# Altium PCB GameBoard_V1I1.PcbDoc (part 14 of 22) (continued)
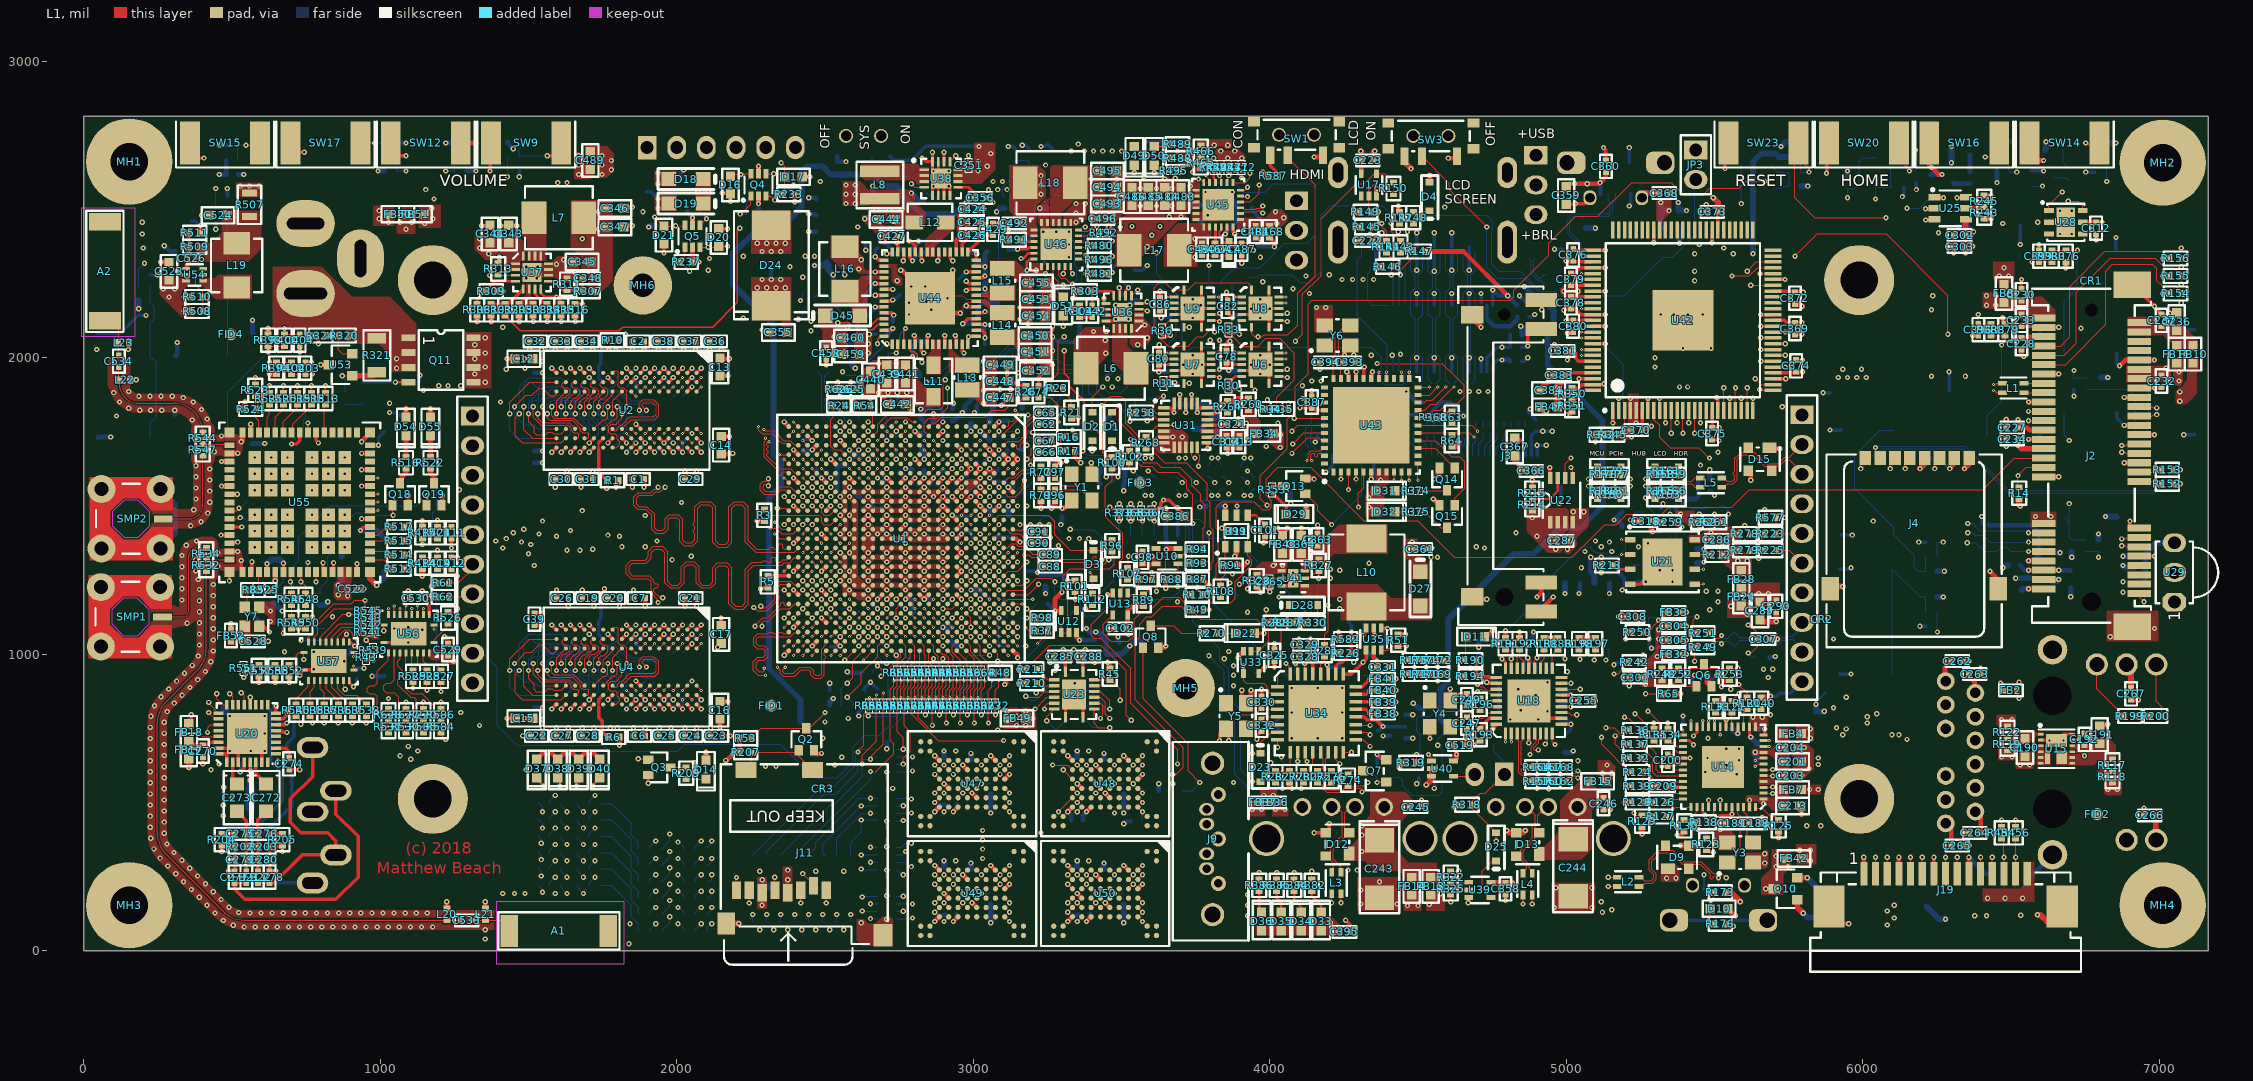
[diagram p0: L1 view]
## Nets (pads, with @x,y where several pads share a name; then routed paths per layer and width w, separated by ;. In a path a pad name is that pad's centre, name@x,y a point inside that pad or via, vN(x,y) a via of type N, cw(c..) or ccw(c..) an arc to the next point about the centre after c; other vN are vias at no path point) (continued)
  L11 w3.15: v5(4547.24,1913.39) v6(4547.24,1944.88)
  L12 w3.35: J1.9@4535.43,2359.84 4535.43,2290.42 4550.2,2275.66 4550.2,2235.24 4535.43,2220.47 U16.27@4535.43,2177.17 4535.43,2145.67 4550.2,2130.91 4550.2,2015.68 4535.43,2000.92 U16.12@4535.43,1952.76 4535.43,1925.2 v5(4547.24,1913.39)
HDMI_D0_P: J1.7 U6.10 U16.10 U16.29 | length 1439.6
  L1 w3.35: U6.10@4031.5,1956.69 4053.73,1956.69 4057.67,1960.63 v2(4059.06,1960.63)
  L10 w3.35: v2(4059.06,1960.63) 4060.66,1959.03 4069.42,1959.03 4096.85,1986.46 4096.85,1996.09 4083.46,2009.47 4083.46,2029.9 4098.45,2044.88 4117.41,2044.88 4131.5,2030.8 4131.5,2015.73 4137.77,2009.45 4149.63,2009.45 4155.91,2015.73 4155.91,2060.67 4169.32,2074.08 4189.63,2074.08 4203.04,2060.67 4203.04,2015.73 4209.31,2009.45 4220.08,2009.45 4226.48,2015.85 4226.48,2050.86 4239.47,2063.86 4259.96,2063.86 4283.79,2040.02 4292.15,2040.02 4326.14,2074.02 4503.01,2074.02 4540.94,2036.08 4540.94,2016.45 4521.56,1997.06 4521.56,1980 4528.81,1972.74 4548.91,1972.74 4560.04,1961.61 4560.04,1947.83 v6(4562.99,1944.88)
  L11 w3.15: v5(4562.99,1913.39) v6(4562.99,1944.88)
  L12 w3.35: v5(4562.99,1913.39) 4574.8,1925.2 U16.10@4574.8,1952.76 4574.8,2000.92 4560.04,2015.68 4560.04,2130.91 4574.8,2145.67 U16.29@4574.8,2177.17 4574.8,2220.47 4560.04,2235.24 4560.04,2275.66 4574.8,2290.42 J1.7@4574.8,2359.84
HDMI_D1_N: J1.6 U9.9 U16.9 U16.30 | length 1446.7
  L1 w3.35: U9.9@3803.15,2125.98 3825.39,2125.98 3829.32,2122.05 v2(3830.71,2122.05)
  L10 w3.35: v2(3830.71,2122.05) 3832.99,2124.33 3842.63,2124.33 3858.59,2108.37 3865.16,2108.37 3868.11,2105.41 3868.11,2099.41 3871.06,2096.46 3875.98,2096.46 3878.94,2099.41 3878.94,2105.41 3881.89,2108.37 3891.73,2108.37 3898.72,2101.38 3904.53,2101.38 3911.52,2108.37 3999.64,2108.37 4012.73,2095.28 4515.12,2095.28 4560.04,2050.35 4560.04,2032.9 4574.86,2018.08 4574.86,2003.26 4608.66,1969.46 4608.66,1951.07 4607.92,1950.33 4607.92,1946.5 v6(4606.3,1944.88)
  L11 w3.15: v5(4606.3,1913.39) v6(4606.3,1944.88)
  L12 w3.35: J1.6@4594.49,2359.84 4594.49,2294.36 4609.25,2279.6 4609.25,2235.24 4594.49,2220.47 U16.30@4594.49,2177.17 4594.49,2145.67 4609.25,2130.91 4609.25,2015.68 4594.49,2000.92 U16.9@4594.49,1952.76 4594.49,1925.2 v5(4606.3,1913.39)
HDMI_D1_P: J1.4 U9.10 U16.7 U16.32 | length 1447.2
  L1 w3.35: U9.10@3803.15,2145.67 3825.39,2145.67 3829.32,2149.61 v2(3830.71,2149.61)
  L10 w3.35: v2(3830.71,2149.61) 3832.94,2149.61 3863.15,2119.39 4004.21,2119.39 4017.3,2106.3 4519.68,2106.3 4571.06,2054.92 4571.06,2037.46 4585.88,2022.64 4585.88,2007.83 4619.68,1974.03 4619.68,1951.07 4620.43,1950.33 4620.43,1946.5 v6(4622.05,1944.88)
  L11 w3.15: v5(4622.05,1913.39) v6(4622.05,1944.88)
  L12 w3.35: v5(4622.05,1913.39) 4633.86,1925.2 U16.7@4633.86,1952.76 4633.86,2000.92 4619.09,2015.68 4619.09,2130.91 4633.86,2145.67 U16.32@4633.86,2177.17 4633.86,2220.47 4619.09,2235.24 4619.09,2279.6 4633.86,2294.36 J1.4@4633.86,2359.84
HDMI_D2_N: J1.3 U8.9 U16.6 U16.33 | length 1434.6
  L1 w3.35: U8.9@4031.5,2125.98 v2@4059.06,2125.98
  L10 w3.35: v2(4059.06,2122.05) 4059.37,2122.05 4067.64,2130.31 4240.39,2130.31 4251.81,2141.73 4569.31,2141.73 4608.66,2102.38 4608.66,2088.87 4588.98,2069.18 4588.98,2050.53 4601.71,2037.8 4622.7,2037.8 4638.45,2053.54 4659.57,2053.54 4667.72,2045.4 4667.72,2035.41 4661.44,2029.13 4642.59,2029.13 4628.64,2015.19 4628.64,1987.92 4639.76,1976.8 4639.76,1967.52 4642.72,1964.57 4647.64,1964.57 4650.59,1967.52 4650.59,1971.46 4653.94,1974.8 4659.91,1974.8 4667.72,1966.99 4667.72,1951.07 4666.97,1950.33 4666.97,1946.5 v6(4665.35,1944.88)
  L11 w3.15: v5(4665.35,1913.39) v6(4665.35,1944.88)
  L12 w3.35: J1.3@4653.54,2359.84 4653.54,2294.36 4668.31,2279.6 4668.31,2232.21 4666.27,2230.18 4653.54,2217.45 U16.33@4653.54,2177.17 4653.54,2145.67 4668.31,2130.91 4668.31,2015.68 4653.54,2000.92 U16.6@4653.54,1952.76 4653.54,1925.2 v5(4665.35,1913.39)
HDMI_D2_P: J1.1 U8.10 U16.4 U16.35 | length 1436.6
  L1 w3.35: U8.10@4031.5,2145.67 v2@4059.06,2145.67
  L10 w3.35: v2(4059.06,2149.61) 4059.37,2149.61 4067.64,2141.34 4235.83,2141.34 4247.24,2152.76 4573.88,2152.76 4619.68,2106.95 4619.68,2084.3 4600,2064.62 4600,2055.09 4606.28,2048.82 4618.14,2048.82 4633.88,2064.57 4664.14,2064.57 4678.74,2049.96 4678.74,2030.84 4666.01,2018.11 4647.15,2018.11 4639.67,2010.62 4639.67,1992.48 4646.32,1985.83 4664.47,1985.83 4678.74,1971.56 4678.74,1951.07 4679.48,1950.33 4679.48,1946.5 v6(4681.1,1944.88)
  L11 w3.15: v5(4681.1,1913.39) v6(4681.1,1944.88)
  L12 w3.35: v5(4681.1,1913.39) 4692.91,1925.2 U16.4@4692.91,1952.76 4692.91,2000.92 4678.15,2015.68 4678.15,2130.91 4692.91,2145.67 U16.35@4692.91,2177.17 4692.91,2217.45 4678.15,2232.22 4678.15,2279.6 4692.91,2294.36 J1.1@4692.91,2359.84
HDMI_DDC: R25.1 R29.2 U1.K2 | length 286.5
  L1 w3.15: U1.K2@2850.39,1736.22 2834.65,1751.97 2834.65,1779.53 2850.39,1795.28 2877.28,1795.28 2913.39,1831.38 v1(2913.39,1897.64)
  L12 w3.15: v1(2913.39,1897.64) 2925.2,1897.64 R25.1@2933.07,1889.76 R29.2@2933.07,1937.01
HDMI_ESD_BYP: C220.1 U16.37 | length 176.5
  L12 w11.81: 4732.28,2130.91 U16.37@4732.28,2177.17
  L12 w15.75: 4732.28,2130.91 4756.89,2106.3 4811.02,2106.3 4834.65,2129.92 C220.1@4834.65,2137.8
HDMI_HPD: R23.2 R150.2 U17.4 | length 1876.7
  L1 w3.15: R23.2@3263.78,1897.64 3263.78,1924.52 3287.4,1948.14 3287.4,2055.12 3303.15,2070.87 v1(3307.09,2070.87) ; v1(4086.61,2055.12) 4110.24,2078.74 4110.24,2213.79 4173.23,2276.78 4173.23,2468.5 4291.34,2586.61 4318.9,2586.61 4352.36,2620.08 U17.4@4360.24,2620.08 4387.8,2620.08 R150.2@4417.32,2590.55
  L10 w3.15: v1(3307.09,2070.87) 3350.39,2070.87 3484.25,2204.72 3618.11,2204.72 3673.23,2149.61 3775.59,2149.61 3846.46,2078.74 3876.76,2078.74 3891.52,2063.98 3911.42,2063.98 3933.07,2085.63 3981.3,2085.63 4011.81,2055.12 v1(4086.61,2055.12)
HDMI_HPD_BUFF: R149.1 R150.1 U16.19 U17.2 | length 818.3
  L1 w3.15: v1(4366.14,2492.13) R149.1@4342.52,2492.13 4334.65,2500 4334.65,2566.93 4354.33,2586.61 4381.89,2586.61 R150.1@4417.32,2551.18
  L12 w3.15: v1(4366.14,2492.13) 4311.02,2437.01 4311.02,2345.26 4295.28,2329.51 4295.28,2141.73 4395.67,2041.34 4395.67,1954.72 U16.19@4397.64,1952.76
HDMI_HPD_CON: C222.1 J1.19 R145.2 U16.20 | length 300.4
  L1 w3.15: C222.1@4342.52,2393.7 4338.58,2397.64 v1(4338.58,2417.32) 4342.52,2421.26 R145.2@4342.52,2440.94
  L12 w3.15: J1.19@4338.58,2308.66 4338.58,2291.34 4330.71,2283.46 4330.71,2192.91 4346.46,2177.17 U16.20@4397.64,2177.17 ; J1.19@4338.58,2359.84 v1(4338.58,2417.32)
HDMI_HPD_R: C74.1 R21.1 R23.1 R26.2 U1.K1 | length 608.8
  L1 w3.15: U1.K1@2850.39,1767.72 2850.39,1768.24 2862.67,1780.51 2873.81,1780.51 2892.51,1799.21 3039.37,1799.21 3062.99,1822.83 3106.3,1822.83 3122.05,1838.58 3142.93,1838.58 3170.49,1866.14 R26.2@3177.17,1866.14 C74.1@3220.47,1866.14 3259.84,1866.14 3291.34,1834.65 R21.1@3330.71,1834.65 3330.71,1857.59 3303.15,1885.15 R23.1@3303.15,1897.64
HDMI_RESREF: R28.2 U1.J1 | length 78.9
  L1 w3.15: U1.J1@2881.89,1767.72 v2(2897.64,1783.47)
  L12 w11.81: R28.2@2884.45,1834.65 2897.64,1821.46 v2(2897.64,1783.47)
HDMI_SCL_CON: J1.15 R143.1 | length 168.3
  L1 w3.15: v1(4409.45,2452.76) 4409.45,2425.2 R143.1@4440.94,2393.7
  L12 w3.15: v1(4409.45,2452.76) 4409.45,2429.13 4417.32,2421.26 J1.15@4417.32,2359.84
HDMI_SCL_CON_R: R143.2 R147.1 U16.22 | length 245.6
  L1 w3.15: v1(4440.94,2279.53) 4440.94,2295.28 4484.25,2338.58 R147.1@4484.25,2358.27 4444.88,2358.27 R143.2@4440.94,2354.33
  L12 w3.15: U16.22@4437.01,2177.17 4437.01,2275.59 v1(4440.94,2279.53)
HDMI_SDA_CON: J1.16 R144.1 | length 167.3
  L1 w3.15: v1(4377.95,2452.76) 4377.95,2442.14 4393.7,2426.39 R144.1@4393.7,2393.7
  L12 w3.15: v1(4377.95,2452.76) 4377.95,2440.94 4382.87,2436.02 4384.07,2436.02 4397.64,2422.45 J1.16@4397.64,2359.84
HDMI_SDA_CON_R: R144.2 R146.1 U16.21 | length 193.5
  L1 w3.15: R144.2@4393.7,2354.33 4417.32,2330.71 R146.1@4417.32,2307.09 4409.45,2299.21 v1(4409.45,2279.53)
  L12 w3.15: v1(4409.45,2279.53) 4417.32,2271.65 U16.21@4417.32,2177.17
HP_OUT_L: C272.2 C276.1 C280.1 FB22.1 R203.2 | length 213.2
  L1 w11.81: FB22.1@587.52,267.87 R203.2@587.52,350.55 C276.1@587.52,393.86 587.52,442.09 C272.2@615.08,469.65
HP_OUT_R: C273.2 C275.1 C279.1 FB21.1 R202.2 | length 214.8
  L1 w11.81: C273.2@516.65,469.65 548.15,438.15 C275.1@548.15,393.86 C279.1@548.15,307.24 FB21.1@548.15,267.87
HUB_CFG_SEL0: R192.2 U18.24 | length 67.9
  L1 w3.15: R192.2@4842.52,1015.75 4842.52,988.19 4854.33,976.38 U18.24@4854.33,952.76
HUB_CFG_SEL1: R191.2 U18.25 | length 86.2
  L1 w3.15: R191.2@4795.28,1015.75 4807.09,1015.75 4834.65,988.19 U18.25@4834.65,952.76
HUB_CRFILT: C255.1 U18.14 | length 55.1
  L1 w3.15: U18.14@4984.25,842.52 C255.1@5039.37,842.52
HUB_LED: D11.2 R190.1 | length 80.4
  L1 w3.15: 4657.48,968.5 4661.42,972.44 D11.2@4661.42,1047.24
HUB_NON_REM1: R195.2 U18.22 | length 102.2
  L1 w3.15: U18.22@4893.7,952.76 4893.7,980.31 v1(4901.57,988.19)
  L12 w3.15: v1(4901.57,988.19) 4940.94,948.82 R195.2@4940.94,940.94
HUB_PLLFILT: C254.1 U18.34 | length 124.8
  L1 w3.15: v1(4700.79,783.46) 4719.28,783.46 4738.96,803.15 U18.34@4763.78,803.15
  L12 w3.15: v1(4700.79,783.46) 4700.79,805.12 4706.69,811.02 C254.1@4706.69,834.65
HUB_RBIAS: R193.1 U18.35 | length 72.1
  L1 w11.81: R193.1@4708.66,748.03 4708.66,751.97 4740.16,783.46 U18.35@4763.78,783.46
HUB_RESETn: C248.1 R187.1 R189.1 U18.26 | length 165.6
  L1 w3.15: U18.26@4814.96,952.76 v1(4814.96,984.25)
  L12 w3.15: v1(4814.96,984.25) 4814.96,996.06 R189.1@4795.28,1015.75 C248.1@4842.52,1015.75 R187.1@4889.76,1015.75
HUB_VBUS_DET: R183.2 R184.1 R185.1 U18.27 | length 36.4
  L1 w9.84: v1(4783.46,984.25) 4795.28,972.44 U18.27@4795.28,952.76
HUB_XTALIN: C247.1 R196.2 U18.33 Y4.3 | length 186.6
  L1 w3.15: Y4.3@4609.25,754.92 4607.28,754.92 4639.76,787.4 C247.1@4665.35,787.4 4696.85,818.9 4724.41,818.9 4728.35,822.83 U18.33@4763.78,822.83
HUB_XTALOUT: C249.1 R196.1 U18.32 Y4.1 | length 253.2
  L1 w3.15: Y4.1@4540.35,843.5 4576.77,807.09 4637.8,807.09 4657.48,826.77 C249.1@4665.35,826.77 4685.04,826.77 4700.79,842.52 U18.32@4763.78,842.52
I2C1_SCL: R60.1 R224.1 R441.1 U1.H20 U22.6 U30.4 U31.11 | length 6238.6
  L1 w3.15: U1.H20@2913.39,1169.29 v2(2929.13,1185.04) ; U31.11@3736.22,1697.83 3736.22,1669.29 3744.09,1661.42 v1(3748.03,1661.42) ; U22.6@4997.05,1594.49 4997.05,1642.72 v1(5015.75,1661.42)
  L3 w3.15: v1(3748.03,1661.42) 3748.03,1680.13 3779.51,1711.61 3823.04,1711.61 3831.9,1720.47 3947.62,1720.47 4001.76,1666.34 4056.1,1666.34 4062.99,1659.45 4187.01,1659.45 4244.09,1716.54 4613.5,1716.54 4632.2,1697.83 4653.54,1697.83 4715.55,1635.83 4796.26,1635.83 4816.93,1615.16 4969.49,1615.16 v1(5015.75,1661.42) 5055.12,1622.05 5055.12,1565.74 5073.61,1547.24 5248.03,1547.24 v1(5267.72,1527.56) 5327.97,1527.56 5343.71,1511.81 5594.49,1511.81 5617.13,1489.17 5617.13,1392.72 v1(5602.36,1377.95)
  L10 w3.15: v1(2417.32,2192.91) 2394.68,2170.28 2394.68,2089.92 2460.98,2023.62 2594.49,2023.62 2634.84,2063.98 2655.72,2063.98 2662.18,2070.43 2706.35,2070.43 2745.29,2031.5 2842.52,2031.5 2887.8,1986.22 2992.13,1986.22 3014.76,1963.58 3056.42,1963.58 3086.76,1933.24 3186.24,1933.24 3195,1942 3366.52,1942 3385.01,1960.49 3555.26,1960.49 3596.46,1919.29 3596.46,1888.78 3642.72,1842.52 3767.72,1842.52 3775.59,1850.39 3828.84,1850.39 3864.27,1814.96 3913.39,1814.96 3937.01,1791.34 3937.01,1692.91 3952.76,1677.17 3952.76,1618.11 3933.07,1598.43 3891.73,1598.43 3844.49,1645.67 3787.4,1645.67 3771.65,1661.42 v1(3748.03,1661.42) 3748.03,1647.64 3703.83,1603.44 3684.06,1603.44 3677.07,1596.46 3540.14,1596.46 3498.81,1637.8 3468.5,1637.8 3461.61,1630.91 3445.87,1630.91 3345.47,1530.51 3220.47,1530.51 3200.79,1510.83 3200.79,1498.81 3185.11,1483.13 3142.85,1483.13 3133.86,1492.13 3133.86,1507.87 3125.98,1515.75 2889.76,1515.75 2866.14,1492.13 2866.14,1255.91 2888.78,1233.27 2906.5,1233.27 2929.13,1210.63 v2(2929.13,1185.04)
  L12 w3.15: v1(2417.32,2192.91) 2425.61,2201.2 R441.1@2425.61,2215.45 ; v1(5267.72,1527.56) 5267.72,1503.94 5299.21,1472.44 U30.4@5319.88,1472.44 ; v1(5602.36,1377.95) 5622.05,1358.27 R60.1@5622.05,1350.39 R224.1@5669.29,1350.39
I2C1_SCL_CON: J12.6 R224.2 R225.2 R577.2 | length 414.7
  L1 w3.15: R225.2@5708.66,1350.39 5751.97,1350.39 J12.6@5795.28,1307.09 ; R577.2@5708.66,1460.63 v1(5736.22,1460.63)
  L10 w3.15: v1(5736.22,1460.63) 5736.22,1366.14 J12.6@5795.28,1307.09
  L12 w3.15: R224.2@5708.66,1350.39 5751.97,1350.39 J12.6@5795.28,1307.09
I2C1_SCL_MCU: R225.1 R279.1 U34.10 | length 3350
  L1 w3.15: v1(4094.49,637.8) U34.10@4094.49,669.29 ; R279.1@5622.05,1350.39 R225.1@5669.29,1350.39 5669.29,1342.52 v1(5649.61,1322.83)
  L3 w3.15: v1(4094.49,637.8) 4142.72,589.57 4386.81,589.57 4398.62,577.76 4563.98,577.76 4755.91,385.83 5043.64,385.83 5118.45,460.63 5204.72,460.63 5217.52,447.83 5431.31,447.83 5450.01,429.13 5771.65,429.13 5799.21,401.57 5838.58,401.57 v1(5858.27,421.26)
  L10 w3.15: v1(5649.61,1322.83) 5625.2,1298.43 5570.08,1298.43 5492.13,1220.47 5492.13,1206.69 5463.58,1178.15 5463.58,1145.67 5487.2,1122.05 5547.24,1122.05 5650.59,1018.7 5650.59,918.31 5724.41,844.49 5724.41,696.85 5674.73,647.17 5674.73,514.25 5744.09,444.88 5834.65,444.88 v1(5858.27,421.26)
I2C1_SCL_PMIC: R441.2 TP40.1 U44.54 | length 313.6
  L1 w4.49: v2(2574.8,2102.36) 2582.68,2094.49 2661.42,2094.49 2679.13,2112.2 U44.54@2698.82,2112.2
  L12 w4.49: R441.2@2464.57,2204.72 2468.5,2208.66 TP40.1@2507.87,2208.66 2527.56,2188.98 2527.56,2181.1 2574.8,2133.86 v2(2574.8,2102.36)
I2C1_SDA: R59.1 R222.1 R442.1 U1.G23 U22.5 U30.6 U31.12 | length 6070.4
  L1 w3.15: U1.G23@2944.88,1074.8 v2(2960.63,1059.06) ; v1(5015.75,1629.92) 5022.64,1623.03 U22.5@5022.64,1594.49
  L1 w3.94: U31.12@3755.91,1697.83 3755.91,1677.17 3763.78,1669.29 3763.78,1653.54 3759.84,1649.61 v1(3759.84,1633.86)
  L3 w3.15: v1(3759.84,1633.86) 3759.84,1650.59 3787.4,1678.15 3824.21,1678.15 3850.78,1704.72 3952.24,1704.72 4005.39,1651.57 4198.14,1651.57 4251.29,1704.72 4614.17,1704.72 4716.54,1602.36 4988.19,1602.36 v1(5015.75,1629.92) 5038.54,1607.13 5038.54,1561.86 5066.93,1533.46 5240.93,1533.46 5261.6,1512.8 5296.26,1512.8 5336.61,1472.44 v1(5350.39,1472.44) 5364.95,1472.44 5379.71,1487.2 5553.36,1487.2 5602.36,1438.2 v1(5602.36,1433.07)
  L10 w3.15: v1(2409.45,2129.92) 2409.45,2094.49 2447.83,2056.1 2599.41,2056.1 2636.81,2093.5 2694.42,2093.5 2744.61,2043.31 2854.33,2043.31 2896.65,2000.98 3001.76,2000.98 3029.32,1973.43 3148.62,1973.43 3169.29,1952.76 3331.38,1952.76 3351.07,1972.44 3568.38,1972.44 3690.43,1850.39 3755.91,1850.39 3767.72,1862.2 3836.52,1862.2 3868.01,1830.71 3920.14,1830.71 3952.76,1798.09 3952.76,1692.91 3964.57,1681.1 3964.57,1585.26 3941.8,1562.5 3906,1562.5 3834.65,1633.86 v1(3759.84,1633.86) 3752.95,1633.86 3713.38,1594.28 3694.88,1594.28 3684.26,1583.66 3538.39,1583.66 3496.06,1625.98 3477.05,1625.98 3465.24,1614.17 3443.69,1614.17 3345.26,1515.75 3228.35,1515.75 3208.66,1496.06 3208.66,1484.25 3196.85,1472.44 3134.13,1472.44 3122.32,1484.25 2890.75,1484.25 2877.95,1471.46 2877.95,1275.59 2889.76,1263.78 2902.57,1263.78 2903.56,1262.8 2903.75,1262.8 2912.4,1254.15 2912.4,1253.95 2913.39,1252.97 2913.39,1244.09 2944.88,1212.6 2944.88,1161.54 2976.38,1130.04 2976.38,1074.8 v2(2960.63,1059.06)
  L12 w3.15: v1(2409.45,2129.92) 2413.39,2129.92 2425.2,2141.73 R442.1@2425.2,2157.48 ; v1(5350.39,1472.44) U30.6@5350.39,1502.95 ; v1(5602.36,1433.07) 5622.05,1413.39 R59.1@5622.05,1405.51 R222.1@5669.29,1405.51
I2C1_SDA_CON: J12.5 R222.2 R223.2 R576.2 | length 229.7
  L1 w3.15: R223.2@5708.66,1405.51 5793.7,1405.51 J12.5@5795.28,1407.09
  L12 w3.15: R576.2@5708.66,1460.63 R222.2@5708.66,1405.51 5793.7,1405.51 J12.5@5795.28,1407.09
I2C1_SDA_MCU: R223.1 R278.1 U34.11 | length 3328
  L1 w3.15: U34.11@4120.08,669.29 4120.08,643.7 v1(4125.98,637.8) ; R278.1@5622.05,1405.51 R223.1@5669.29,1405.51 5669.29,1397.64 v1(5649.61,1377.95)
  L3 w3.15: v1(4125.98,637.8) 4148.62,615.16 4419.08,615.16 4439.75,594.49 4574.8,594.49 4748.03,421.26 5052.17,421.26 5145.67,514.76 5241.14,514.76 5274.61,481.3 5750.98,481.3 v1(5811.02,421.26)
  L10 w3.15: v1(5649.61,1377.95) 5608.27,1336.61 5572.83,1336.61 5444.88,1208.66 5444.88,1145.67 5488.19,1102.36 5539.37,1102.36 5628.94,1012.8 5628.94,890.75 5676.18,843.5 5695.87,843.5 5703.74,835.63 5703.74,707.68 5645.67,649.61 5645.67,492.13 5716.54,421.26 v1(5811.02,421.26)
I2C1_SDA_PMIC: R442.2 TP41.1 U44.53 | length 266.1
  L1 w4.49: v2(2543.31,2118.11) 2580.32,2118.11 2592.13,2106.3 2651.79,2106.3 2677.38,2131.89 U44.53@2698.82,2131.89
  L12 w4.49: R442.2@2464.57,2157.48 2468.5,2153.54 TP41.1@2507.87,2153.54 v2(2543.31,2118.11)
I2C2_CSI_SCL: J19.13 R452.1 R454.2 R459.2 | length 223.7
  L1 w3.15: R454.2@6468.5,377.95 6476.38,370.08 v1(6476.38,314.96) J19.13@6476.38,259.84
  L12 w3.15: R452.1@6476.38,212.6 v1(6476.38,314.96)
I2C2_CSI_SDA: J19.14 R451.1 R456.2 R458.2 | length 220.5
  L1 w3.15: J19.14@6515.75,259.84 v1(6515.75,314.96) R456.2@6515.75,377.95
  L12 w3.15: R451.1@6515.75,212.6 v1(6515.75,314.96)
I2C2_SCL: J2.30 J14.7 R62.1 R454.1 U1.U5 U16.17 U20.29 U25.1 U28.6 U45.5 U46.5 | length 21073.5
  L1 w3.15: v1(385.83,736.22) 400.59,721.46 454.33,721.46 U20.29@454.33,722.44 ; R62.1@1236.22,1192.91 1300.79,1192.91 J14.7@1311.02,1203.15 ; v3(2614.17,1657.48) U1.U5@2629.92,1641.73 ; v1(3303.15,2283.46) 3309.06,2289.37 U46.5@3309.06,2307.09 ; U45.5@3901.57,2545.28 3903.54,2543.31 v1(3925.2,2543.31) ; R454.1@6468.5,417.32 v1(6468.5,440.94) ; v1(6559.06,1787.4) J2.30@6610.24,1787.4 ; v1(6692.91,2527.56) 6726.38,2527.56 6742.13,2511.81 U28.6@6742.13,2496.06
  L1 w11.81: U25.1@6242.13,2541.34 6244.09,2539.37 v2(6272.64,2539.37)
  L3 w3.15: J14.7@1330.71,1207.09 1370.08,1167.72 1370.08,885.69 1338.72,854.33 1325.22,854.33 1292.53,821.64 1292.53,803.15 1277.77,788.39 1254.92,788.39 1236.22,807.09 1047.24,807.09 925.2,929.13 897.64,929.13 861.22,965.55 861.22,1012.8 748.03,1125.98 685.71,1125.98 641.73,1082 641.73,1031.5 618.11,1007.87 618.11,881.89 511.81,775.59 413.39,775.59 385.83,748.03 v1(385.83,736.22) 385.83,708.66 401.57,692.91 598.43,692.91 645.67,740.16 645.67,755.91 678.15,788.39 693.9,788.39 724.41,818.9 922.45,818.9 1015.75,725.6 1015.75,429.13 1082.68,362.2 1251.29,362.2 1467.83,578.74 1748.03,578.74 1763.78,594.49 1944.88,594.49 1996.06,543.31 2421.26,543.31 2492.13,472.44 2492.13,270.81 2557.23,205.71 2727.36,205.71 2746.06,224.41 2783.46,224.41 2818.9,259.84 2818.9,306.1 2894.68,381.89 2984.25,381.89 3022.64,420.28 3037.61,420.28 3046.26,411.63 3046.26,385.83 3080.71,351.38 3264.09,351.38 3270.98,358.27 3562.99,358.27 3748.03,173.23 3865.47,173.23 3889.76,197.53 3889.76,221.15 3952.08,283.46 4094.49,283.46 4165.35,354.33 4362.2,354.33 4433.07,283.46 5559.06,283.46 5649.61,374.02 5703.53,374.02 5710.42,367.13 5833.66,367.13 5858.27,342.52 6303.15,342.52 6329.72,369.09 6396.65,369.09 v1(6468.5,440.94) ; v1(2452.76,2122.05) 2437.01,2122.05 2426.18,2111.22 2426.18,2077.76 2523.62,1980.31 2555.12,1980.31 2574.8,1960.63 2574.8,1947.62 2560.04,1932.86 2560.04,1907.79 2582.68,1885.15 2589.32,1885.15 2605.32,1869.15 2605.32,1744.47 2579.72,1718.87 2579.72,1706.9 2567.91,1695.09 2567.91,1682.86 2578.53,1672.24 2588.79,1672.24 2602.36,1658.67 v4(2602.36,1645.67) ; v1(3925.2,2543.31) 3996.06,2543.31 4027.56,2574.8 4142.41,2574.8 4209.34,2507.87 4385.83,2507.87 4417.32,2539.37 4626.97,2539.37 4685.04,2481.3 4817.91,2481.3 4853.35,2445.87 4853.35,2414.37 4921.26,2346.46 5059.06,2346.46 5090.55,2314.96 5090.55,2055.12 5044.29,2008.86 5019.22,2008.86 5013.31,2014.76 4994.56,2014.76 4986.69,2022.64 4799.21,2022.64 4793.31,2016.73 4772.64,2016.73 4765.75,2023.62 4452.76,2023.62 v1(4440.94,2011.81)
  L10 w3.15: v1(2452.76,2122.05) 2464.57,2133.86 2464.57,2207.31 2410.43,2261.44 2410.43,2277.77 2419.08,2286.42 2503.94,2286.42 2512.8,2295.28 2551.18,2295.28 2602.36,2346.46 2641.73,2346.46 2677.17,2311.02 2719.28,2311.02 2755.7,2274.61 3008.86,2274.61 3027.56,2255.91 3240.16,2255.91 3267.72,2283.46 v1(3303.15,2283.46) 3321.85,2264.76 3345.47,2264.76 3366.14,2244.09 3472.44,2244.09 3482.28,2253.94 3621.27,2253.94 3654.74,2220.47 3833.45,2220.47 3860.03,2193.9 3937.01,2193.9 3952.76,2178.15 3981.3,2178.15 3988.19,2185.04 4004.92,2185.04 4010.83,2179.13 4141.73,2179.13 4147.64,2185.04 4184.06,2185.04 4184.06,2187.01 4192.91,2195.87 4395.67,2195.87 4414.37,2177.17 4579.42,2177.17 4696.85,2059.73 4696.85,2022.64 4689.96,2015.75 4689.96,1977.64 4700.79,1966.82 4700.79,1947.86 4685.99,1933.07 4456.69,1933.07 4440.94,1948.82 v1(4440.94,2011.81) ; v1(3925.2,2543.31) 3964.57,2543.31 4113.19,2691.93 4257.62,2691.93 4267.47,2682.09 4408.46,2682.09 4433.07,2657.48 4539.37,2657.48 4669.29,2527.56 4960.63,2527.56 5003.94,2484.25 5122.05,2484.25 5216.54,2578.74 5350.39,2578.74 5397.64,2531.5 5467.31,2531.5 5494.87,2559.06 5905.51,2559.06 5937.01,2590.55 6221.46,2590.55 v2(6272.64,2539.37) 6275.59,2539.37 6326.77,2488.19 6476.38,2488.19 6515.75,2527.56 v1(6692.91,2527.56) 6694.11,2527.56 6755.91,2465.76 6755.91,2311.02 6551.18,2106.3 6551.18,2059.06 6500,2007.87 6500,1846.46 v1(6559.06,1787.4) 6578.74,1767.72 6578.74,1594.49 6444.88,1460.63 6444.88,464.57 v1(6468.5,440.94)
  L2 w3.15: v4(2602.36,1645.67) v3(2614.17,1657.48)
  L12 w3.15: U16.17@4437.01,1952.76 4437.01,2007.87 v1(4440.94,2011.81)
I2C2_SDA: J2.32 J14.6 R61.1 R456.1 U1.T7 U16.18 U20.27 U25.6 U28.1 U45.6 U46.6 | length 21431.7
  L1 w3.15: v1(417.32,736.22) 417.32,751.97 427.17,761.81 U20.27@454.33,761.81 ; R61.1@1236.22,1240.16 1263.78,1240.16 1314.96,1291.34 1314.96,1307.09 J14.6@1330.71,1307.09 ; v3(2645.67,1594.49) U1.T7@2661.42,1578.74 ; U46.6@3328.74,2307.09 3328.74,2289.37 v1(3334.65,2283.46) ; U45.6@3901.57,2564.96 3915.35,2564.96 v1(3925.2,2574.8) ; R456.1@6515.75,417.32 v1(6515.75,440.94) ; v1(6559.06,1818.9) J2.32@6610.24,1818.9 ; U28.1@6627.95,2496.06 6627.95,2513.78 v1(6673.23,2559.06)
  L1 w11.81: v2(6317.91,2539.37) 6346.46,2539.37 U25.6@6348.43,2541.34
  L3 w3.15: J14.6@1330.71,1307.09 1366.99,1270.81 1366.99,1192.07 1383.86,1175.2 1383.86,883.34 1280.05,779.53 1248.03,779.53 1232.28,795.28 1035.43,795.28 917.32,913.39 885.83,913.39 842.52,956.69 842.52,1013.41 753.57,1102.36 681.1,1102.36 657.48,1078.74 657.48,1027.56 629.92,1000 629.92,874.02 515.75,759.84 425.2,759.84 417.32,751.97 v1(417.32,736.22) 417.32,720.47 429.13,708.66 559.06,708.66 681.1,830.71 929.13,830.71 1031.5,728.35 1031.5,437.01 1094.49,374.02 1244.09,374.02 1464.57,594.49 1724.41,594.49 1740.16,610.24 1960.63,610.24 2011.81,559.06 2435.81,559.06 2511.81,483.06 2511.81,271.65 2559.06,224.41 2727.36,224.41 2743.11,240.16 2775.59,240.16 2806.1,270.67 2806.1,310.04 2893.7,397.64 2956.69,397.64 2987.2,428.15 3040.87,428.15 3060.79,408.23 3060.79,391.96 3088.58,364.17 3169.29,364.17 3174.21,359.25 3255.91,359.25 3266.73,370.08 3573.82,370.08 3758.86,185.04 3854.33,185.04 3874.02,204.72 3874.02,228.35 3944.88,299.21 4078.74,299.21 4153.54,374.02 4381.89,374.02 4456.69,299.21 4700.79,299.21 5389.76,299.21 5430.12,339.57 5447.06,339.57 5457.89,350.39 5592.52,350.39 5638.78,396.65 5722.65,396.65 5737.41,381.89 5850.39,381.89 5874.02,358.27 6291.34,358.27 6315.94,382.87 6383.55,382.87 6456.38,455.71 6500.98,455.71 v1(6515.75,440.94) ; v1(2452.76,2090.55) 2448.82,2094.49 2444.88,2090.55 2444.88,2074.8 2526.57,1993.11 2565.94,1993.11 2587.6,1971.46 2587.6,1939.19 2571.85,1923.44 2571.85,1911.21 2589.36,1893.7 2591.9,1893.7 2613.19,1872.41 2613.19,1741.2 2599.41,1727.42 2599.41,1682.09 2616.14,1665.35 2616.14,1624.02 v4(2657.48,1582.68) ; v1(3925.2,2574.8) 3932.09,2567.91 4000.98,2567.91 4027.56,2594.49 4141.73,2594.49 4208.66,2527.56 4366.14,2527.56 4405.51,2566.93 4641.73,2566.93 4700.79,2507.87 4804.13,2507.87 4922.24,2389.76 4976.38,2389.76 5001.97,2364.17 5076.77,2364.17 5114.17,2326.77 5114.17,2061.02 5048.23,1995.08 5021.86,1995.08 5010.05,2006.89 4884.84,2006.89 4876.97,2014.76 4832.68,2014.76 4825.79,2007.87 4744.09,2007.87 4736.22,2015.75 4472.44,2015.75 4453.74,1997.05 4424.21,1997.05 v1(4413.39,2007.87)
  L10 w3.15: v1(2452.76,2090.55) 2437.99,2105.31 2437.99,2128.16 2444.88,2135.05 2444.88,2215.86 2401.57,2259.17 2401.57,2280.05 2415.82,2294.29 2491.14,2294.29 2573.82,2376.97 2702.97,2376.97 2742.13,2337.81 2742.13,2327.55 2757.66,2312.01 2965.55,2312.01 2976.38,2322.83 3086.61,2322.83 3094.49,2314.96 3250.98,2314.96 3266.73,2299.21 3318.9,2299.21 v1(3334.65,2283.46) 3354.33,2283.46 3377.95,2259.84 3464.57,2259.84 3472.44,2267.72 3641.73,2267.72 3671.26,2238.19 3895.67,2238.19 3917.32,2216.54 3972.44,2216.54 3987.2,2201.77 4086.61,2201.77 4095.47,2192.91 4167.32,2192.91 4187.01,2212.6 4407.48,2212.6 4433.07,2187.01 4580.71,2187.01 4704.72,2062.99 4704.72,2016.73 4697.83,2009.84 4697.83,1983.27 4708.66,1972.44 4708.66,1944.6 4688.27,1924.21 4443.9,1924.21 4413.39,1954.72 v1(4413.39,2007.87) ; v1(3925.2,2574.8) 3932.09,2567.91 3970.68,2567.91 4115.37,2712.6 4397.64,2712.6 4433.07,2677.17 4562.99,2677.17 4700.79,2539.37 4976.38,2539.37 5015.75,2500 5103.35,2500 5208.66,2605.31 5351.38,2605.31 5409.45,2547.24 5460.63,2547.24 5484.25,2570.87 5539.37,2570.87 5609.25,2640.75 5906.5,2640.75 5933.07,2614.17 6243.11,2614.17 v2(6317.91,2539.37) 6318.9,2539.37 6326.77,2531.5 6438.2,2531.5 6465.76,2559.06 v1(6673.23,2559.06) 6692.91,2559.06 6771.65,2480.31 6771.65,2299.21 6586.61,2114.17 6586.61,2026.36 6539.37,1979.12 6539.37,1838.58 v1(6559.06,1818.9) 6598.43,1779.53 6598.43,1539.37 6496.06,1437.01 6496.06,1401.57 6496.06,850.39 6488.19,842.52 6488.19,468.5 v1(6515.75,440.94)
  L2 w3.15: v3(2645.67,1594.49) v4(2657.48,1582.68)
  L12 w3.15: v1(4413.39,2007.87) 4413.39,1996.06 4417.32,1992.13 U16.18@4417.32,1952.76